# Altium PCB controller_V1.3.PcbDoc (part 5 of 6) (continued)
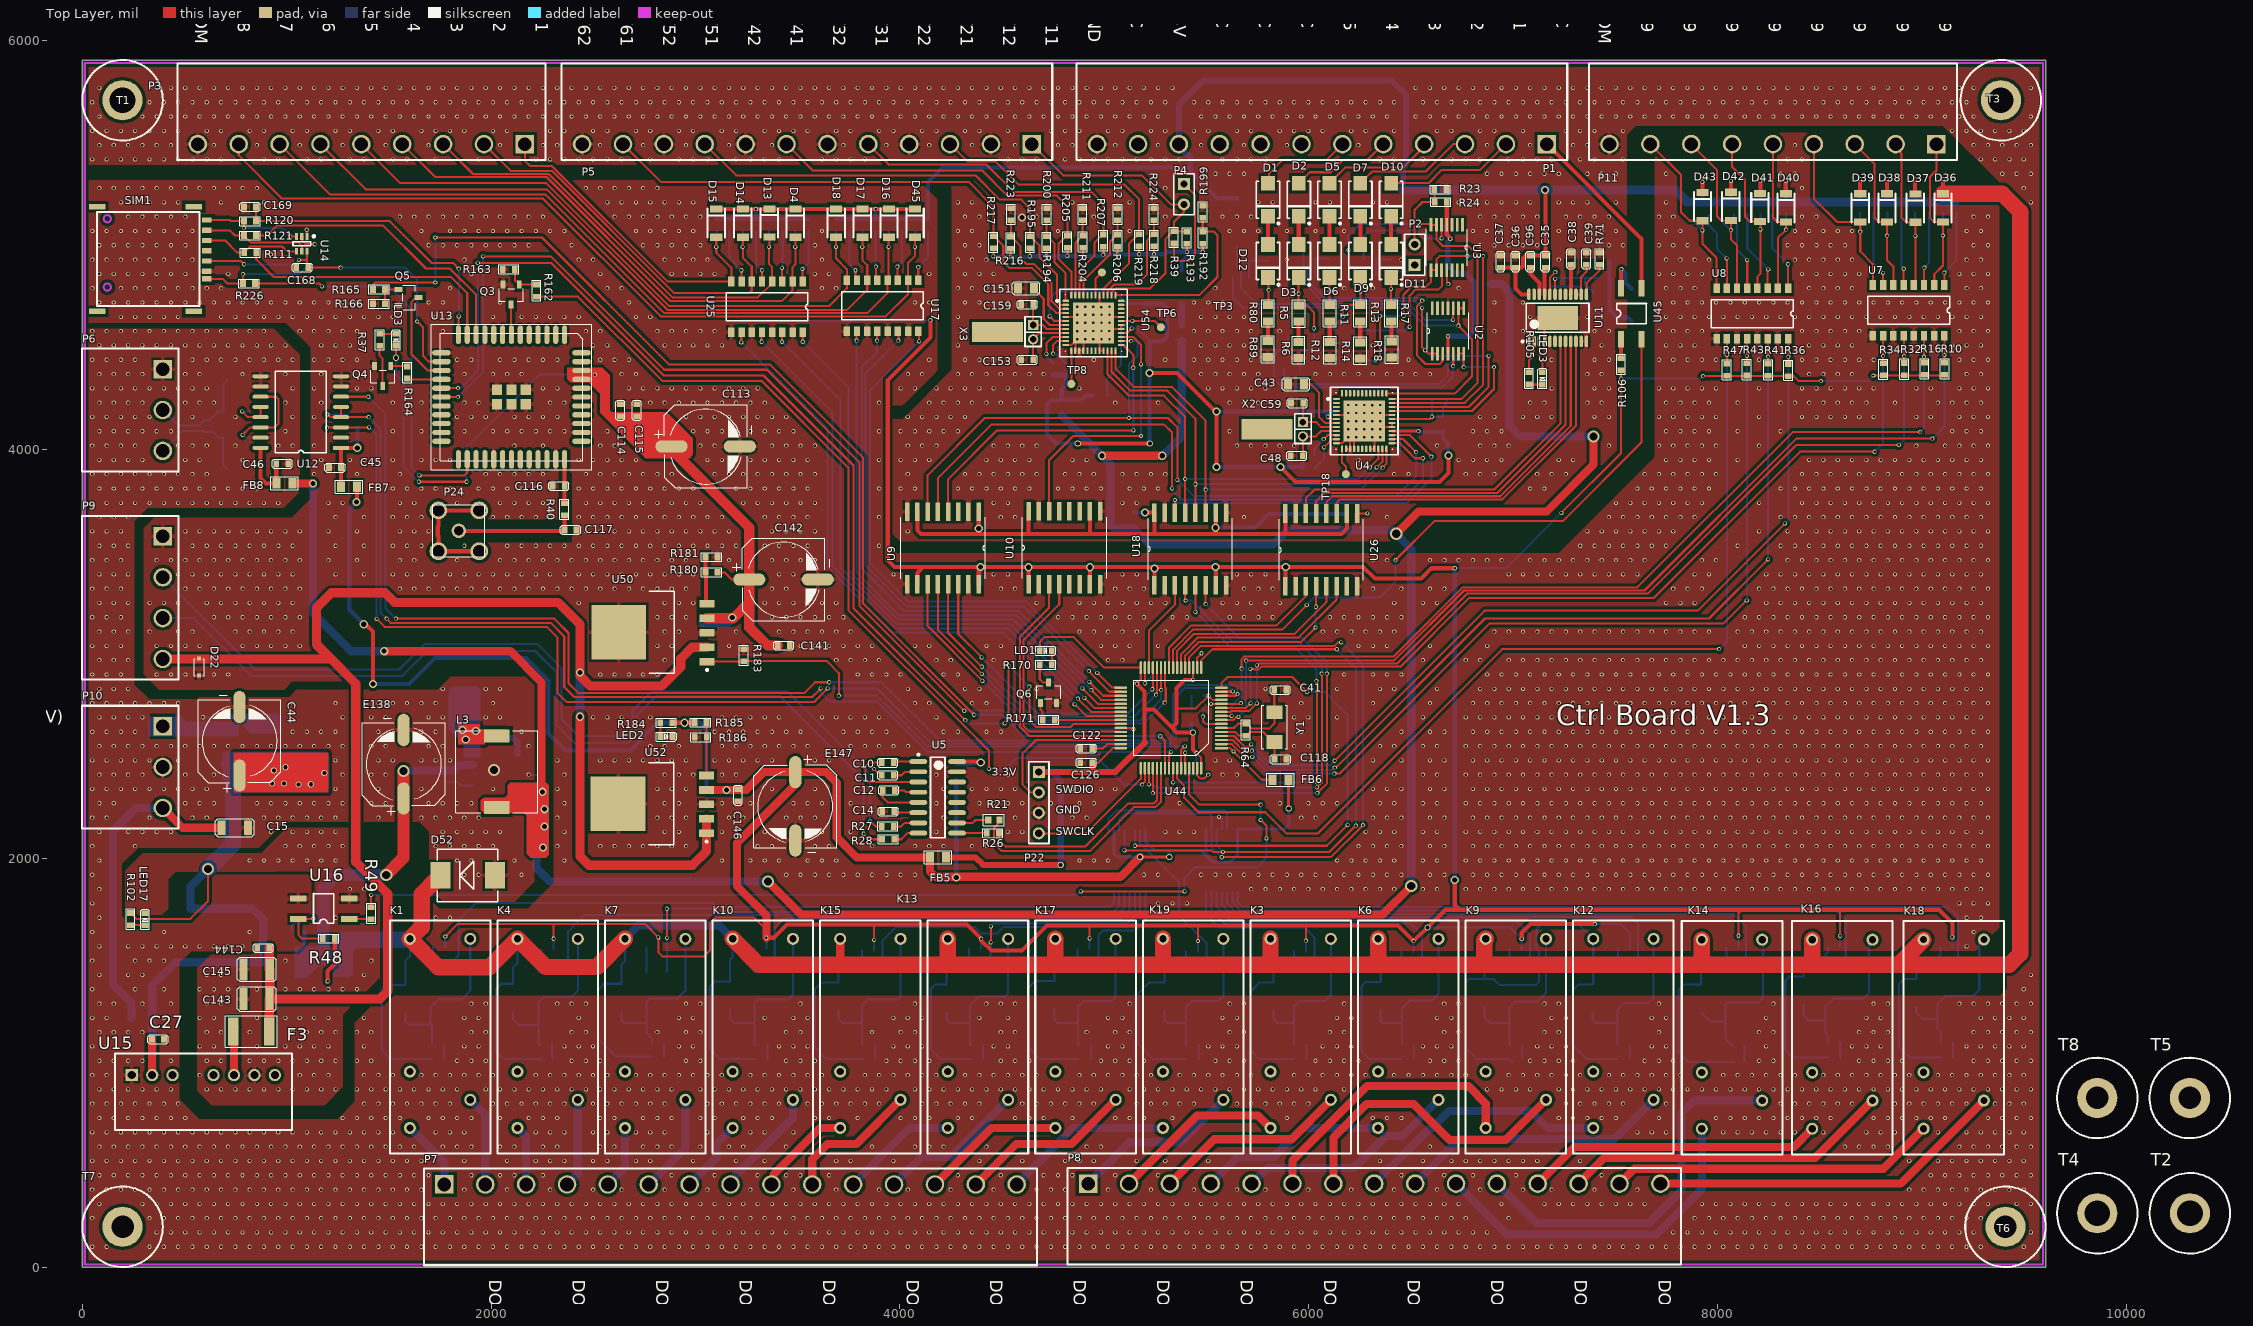
[diagram p0: Top Layer view]
## Nets (pads, with @x,y where several pads share a name; then routed paths per layer and width w, separated by ;. In a path a pad name is that pad's centre, name@x,y a point inside that pad or via, vN(x,y) a via of type N, cw(c..) or ccw(c..) an arc to the next point about the centre after c; other vN are vias at no path point) (continued)
NetP9_2: P9.2 R27.2 | length 4640.1
  Top Layer w10: v1@3854,2183 3881,2156 R27.2@3911.85,2156
  Bottom Layer w10: P9.2@393.86,3375 844.86,2924 1552,2924 1677,3049 2226,3049 2344,2931 2344,2682 2428,2598 2651,2598 2692,2639 2692,2721 2787,2816 3449,2816 3575.88,2689.12 3854,2411 v1(3854,2180) v1@3854,2177.45
NetP9_3: P9.3 R28.2 | length 4642.2
  Top Layer w10: v1@3823,2118 3848,2093 R28.2@3912.8,2093
  Bottom Layer w10: P9.3@393.86,3175 543,3175 826,2892 1566,2892 1688,3014 1915,3014 ; 1942,3014 1915,3014 ; v1(3823,2120) 3823,2383 3412,2794 2808,2794 2710,2696 2710,2604 2670,2564 2410,2564 2320,2654 2320,2909 2215,3014 1915,3014
NetP10_1: P10.1 Q2.1 Q2.2 Q2.5 Q2.6
NetP24_2: P24.2 P24.3 P24.4 P24.5 | length 602.5
  Top Layer w20: P24.4@1942,3502 P24.5@1742,3502 1742,3576.63 1739,3579.63 1739,3623.5 1742,3626.5 P24.2@1742,3702 P24.3@1942,3702
NetQ1_3: Q1.3 R48.1 | length 271
  Top Layer w20: v1(1200.6,1397.4) 1200.6,1448.57 1235.06,1483.03 R48.1@1235.06,1607
  Bottom Layer w20: v1(1200.6,1397.4) Q1.3@1200.6,1444.57
NetQ3_1: Q3.1 R162.2 R163.2 | length 172
  Top Layer w10: R163.2@2116.06,4881 2116.06,4828.54 2122.91,4821.69 2130.78,4821.69 2137.59,4814.87 Q3.1@2137.59,4807 2221.95,4807 R162.2@2222,4807.06
NetQ3_3: Q3.3 U13.7 | length 147.7
  Top Layer w10: Q3.3@2098.22,4708.58 2098.22,4563.18 U13.7@2099.85,4561.55
NetQ4_1: Q4.1 R164.2 | length 81.8
  Top Layer w10: Q4.1@1509.09,4407.89 1588.24,4407.89 R164.2@1590.09,4406.05
NetQ4_3: Q4.3 R37.2 | length 204.5
  Top Layer w10: R37.2@1455.09,4507.94 1455.09,4458.91 1469.72,4444.28 Q4.3@1469.72,4309.46
NetQ5_1: Q5.1 R165.2 R166.2 | length 135.9
  Top Layer w10: R166.2@1481.06,4713.09 R165.2@1481.06,4783.09 Q5.1@1547.01,4783.09
NetQ5_3: Q5.3 U13.15 | length 479
  Top Layer w10: Q5.3@1645.43,4743.72 1638.62,4736.91 1626.91,4736.91 1610,4720 1610,4467 1690.65,4386.35 U13.15@1757.33,4386.35
NetQ6_1: Q6.1 R171.2 | length 87.9
  Top Layer w10: Q6.1@4688.48,2760.58 4688.48,2726.52 4698.85,2716.15 R171.2@4698.85,2677
NetQ6_3: Q6.3 R170.2 | length 121.4
  Top Layer w10: R170.2@4684.51,2946.74 4684.51,2875.49 4701,2859 Q6.3@4727.85,2859
NetR5_1: R5.1 R6.2 | length 99.9
  Top Layer w20: R6.2@5950.48,4526.3 5950.7,4526.52 5950.7,4625.78 R5.1@5950.92,4626
NetR9_1: R9.1 U7.1 | length 379.8
  Top Layer w10: U7.1@9111,4805.03 v1(9111,4865)
  Bottom Layer w10: v1(9111,4865) 9171,4925 R9.1@9171,5160
NetR11_1: R11.1 R12.2 | length 102.5
  Top Layer w20: R11.1@6102.54,4627 6103.51,4626.03 6103.51,4526.27 R12.2@6104.48,4525.3
NetR13_1: R13.1 R14.2 | length 104
  Top Layer w20: R14.2@6252.48,4523.3 6252.82,4523.64 6252.82,4626.66 R13.1@6253.17,4627
NetR15_1: R15.1 U7.3 | length 365.1
  Top Layer w10: U7.3@9011,4805.03 9011,4885.29 9013,4887.29 v1(9013,4890)
  Bottom Layer w10: v1(9013,4890) 9035.57,4912.57 R15.1@9035.57,5160
NetR17_1: R17.1 R18.2 | length 99.1
  Top Layer w20: R17.1@6403.79,4627 6405.13,4625.66 6405.13,4530.38 R18.2@6406.48,4529.04
NetR20_2: R20.2 U4.10 | length 165.3
  Top Layer w10: v1(6074,4051) 6093.1,4070.1 U4.10@6136.34,4070.1
  Bottom Layer w10: R20.2@6028.06,3975 6028.06,4005.06 v1(6074,4051)
NetR21_1: R21.1 U5.10 | length 158.3
  Top Layer w10: U5.10@4279.83,2173 4356,2173 4370,2187 R21.1@4432.35,2187
NetR22_1: R22.1 U44.60 | length 123
  Top Layer w10: U44.60@5395.79,2440.57 v1(5395.79,2516.21)
  Bottom Layer w10: R22.1@5393,2470 5395.79,2472.79 v1(5395.79,2516.21)
NetR25_1: R25.1 R48.2 U16.4 | length 428.4
  Top Layer w10: v1(1131,1704.78) 1129.22,1703 U16.4@1057,1703 1057,1625 1075,1607 R48.2@1176,1607
  Bottom Layer w10: R25.1@1027,1641 1027,1673 1058.78,1704.78 v1(1131,1704.78)
NetR26_1: R26.1 U5.9 | length 146
  Top Layer w10: U5.9@4279.83,2123 R26.1@4425.85,2123
NetR31_1: R31.1 U7.5 | length 360.3
  Top Layer w10: U7.5@8911,4805.03 8911,4883 v1(8912,4884)
  Bottom Layer w10: R31.1@8900.14,5160 8900.14,4895.86 v1(8912,4884)
NetR33_1: R33.1 U7.7 | length 374.1
  Top Layer w10: U7.7@8811,4805.03 v1(8811,4864)
  Bottom Layer w10: R33.1@8764.71,5160 8764.71,4910.29 v1(8811,4864)
NetR35_1: R35.1 U8.1 | length 395.1
  Top Layer w10: U8.1@8346,4789 v1(8346,4906)
  Bottom Layer w10: R35.1@8268.33,5151.94 8268.33,4983.67 v1(8346,4906)
NetR38_1: R38.1 U8.3 | length 406.9
  Top Layer w10: U8.3@8246,4789 8246,4875.29 8249,4878.29 v1(8249,4881)
  Bottom Layer w10: R38.1@8146,5151.94 8146,4984 v1(8249,4881)
NetR42_1: R42.1 U8.5 | length 386.5
  Top Layer w10: v1(8145,4928) 8146,4927 U8.5@8146,4789
  Bottom Layer w10: R42.1@8082,5148.94 8082,5115 8096,5101 8096,4977 v1(8145,4928)
NetR46_1: R46.1 U8.7 | length 396.1
  Top Layer w10: v1(8045.5,4934.88) 8046,4934.38 U8.7@8046,4789
  Bottom Layer w10: R46.1@7956.53,5148 7956.53,5098.14 7997.67,5057 7997.67,4982.71 v1(8045.5,4934.88)
NetR49_1: R49.1 U16.1 | length 107.4
  Top Layer w10: U16.1@1306,1703 1411.94,1703 R49.1@1413,1701.94
NetR71_1: R71.1 U11.13 | length 171.5
  Top Layer w10: U11.13@7359.28,4759.16 7359.28,4813.36 7423.54,4877.61 R71.1@7423.54,4904
NetR73_2: R73.2 U4.11 | length 197.5
  Top Layer w10: v1(6076,4010) 6116.42,4050.42 U4.11@6136.34,4050.42
  Bottom Layer w10: R73.2@6029,3909 6076,3956 v1(6076,4010)
NetR75_2: R75.2 U54.11 | length 193.4
  Top Layer w10: v1(4750,4469) 4750,4512 4768.42,4530.42 U54.11@4811.34,4530.42 U54.11@4811.14,4530.22
  Bottom Layer w10: v1(4750,4469) 4751.91,4467.09 4765.18,4467.09 4809.21,4423.06 R75.2@4812.17,4423.06
NetR80_1: R80.1 R89.2 | length 97.7
  Top Layer w20: R89.2@5799.48,4530.04 5800.39,4530.95 5800.39,4626.09 R80.1@5801.29,4627
NetR81_1: R81.1 U25.1 | length 260.7
  Top Layer w10: v1(3523,4883) 3523,4824.62 U25.1@3525.5,4822.11
  Bottom Layer w10: v1(3523,4883) 3553.61,4913.61 R81.1@3553.61,5069.06
NetR86_1: R86.1 U25.3 | length 248.7
  Top Layer w10: v1(3423,4888) 3423,4824.62 U25.3@3425.5,4822.11
  Bottom Layer w10: v1(3423,4888) 3424.75,4889.75 R86.1@3424.75,5069.06
NetR92_1: R92.1 U25.5 | length 259.6
  Top Layer w10: U25.5@3325.5,4822.11 3326,4822.61 v1(3326,4877)
  Bottom Layer w10: R92.1@3295.89,5069.06 3295.89,4907.11 v1(3326,4877)
NetR96_1: R96.1 U25.7 | length 271.2
  Top Layer w10: v1(3225,4877) 3225,4822.62 U25.7@3225.5,4822.11
  Bottom Layer w10: R96.1@3167.04,5069.06 3167.04,4934.96 v1(3225,4877)
NetR105_1: R105.1 U11.2 | length 162.1
  Top Layer w10: R105.1@7078.46,4377.05 7078.46,4437.46 7103.38,4462.38 U11.2@7103.38,4528.84
NetR106_1: R106.1 U45.1 | length 92.9
  Top Layer w20: R106.1@7528.54,4446.1 U45.1@7528.54,4539
NetR107_1: R107.1 U46.1 | length 127.4
  Bottom Layer w10: U46.1@1703.85,1443 1703.85,1502.08 1716.8,1515.03 R107.1@1716.8,1565
NetR108_1: R108.1 U17.1 | length 262.3
  Top Layer w10: v1(4090,4892) 4090,4827.62 U17.1@4090.5,4827.11
  Bottom Layer w10: v1(4090,4892) 4138.61,4940.61 R108.1@4138.61,5069.06
NetR111_1: R111.1 SIM1.2 U14.4 | length 487.8
  Top Layer w10: SIM1.2@609.02,5022.25 699.75,5022.25 759,4963 R111.1@791.94,4963 791.94,4965.95 800.72,4974.73 803.68,4974.73 821.94,4993 977.17,4993 1000.58,4969.58 U14.4@1048.41,4969.58
NetR113_1: R113.1 U17.3 | length 252.1
  Top Layer w10: v1(3988,4895) 3988,4829.62 U17.3@3990.5,4827.11
  Bottom Layer w10: v1(3988,4895) 4010.04,4917.04 R113.1@4010.04,5069.06
NetR115_1: R115.1 U17.5 | length 245.7
  Top Layer w10: v1(3883,4895) 3883,4834.62 U17.5@3890.5,4827.11
  Bottom Layer w10: R115.1@3881.46,5069.06 3881.46,4896.54 v1(3883,4895)
NetR117_1: R117.1 U17.7 | length 257.5
  Top Layer w10: v1(3783,4877) 3783,4834.61 U17.7@3790.5,4827.11
  Bottom Layer w10: R117.1@3752.89,5069.06 3752.89,4907.11 v1(3783,4877)
NetR120_1: R120.1 SIM1.3 U14.3 | length 492.3
  Top Layer w10: SIM1.3@609.02,5122.25 721.75,5122.25 727,5117 R120.1@790.8,5117 v1(790.8,5083.2) ; v1(1017,5044) 1018.58,5042.42 U14.3@1048.41,5042.42
  Bottom Layer w10: v1(790.8,5083.2) 977.8,5083.2 v1(1017,5044)
NetR121_1: R121.1 SIM1.7 U14.5 | length 524.7
  Top Layer w10: SIM1.7@609.02,5072.25 721.75,5072.25 747,5047 R121.1@790.8,5047 790.8,5044.05 799.58,5035.27 802.53,5035.27 825.8,5012 1058,5012 1074,4996 U14.5@1074,4969.58
NetR124_1: R124.1 U19.1 | length 117.4
  Bottom Layer w10: U19.1@8528,1454.15 8528,1527 8541,1540 R124.1@8541,1566.15
NetR127_1: R127.1 U20.1 | length 117.2
  Bottom Layer w10: U20.1@2231.85,1443 2231.85,1503.85 2246.8,1518.8 R127.1@2246.8,1554
NetR128_1: R128.1 U21.1 | length 107.4
  Bottom Layer w10: U21.1@9078,1463.15 9078,1513 9091,1526 R128.1@9091,1565.15
NetR131_1: R131.1 U23.1 | length 118
  Bottom Layer w10: R131.1@2759.8,1561 2759.85,1560.95 U23.1@2759.85,1443
NetR135_1: R135.1 U29.1 | length 116
  Bottom Layer w10: R135.1@3287.8,1559 3287.8,1443.06 U29.1@3287.85,1443
NetR139_1: R139.1 U31.1 | length 114.1
  Bottom Layer w10: R139.1@4338.8,1555 4338.8,1448.06 U31.1@4343.85,1443
NetR142_1: R142.1 U33.1 | length 105.4
  Bottom Layer w10: R142.1@3814.8,1548 3814.8,1444.06 U33.1@3815.85,1443
NetR147_1: R147.1 U35.1 | length 113.8
  Bottom Layer w10: R147.1@4869.85,1556 4869.85,1445 U35.1@4871.85,1443
NetR150_1: R150.1 U37.1 | length 100.4
  Bottom Layer w10: R150.1@5398.85,1543 5399.85,1542 U37.1@5399.85,1443
NetR152_1: R152.1 U38.1 | length 102
  Bottom Layer w10: U38.1@5927.85,1443 R152.1@5927.85,1545
NetR154_1: R154.1 U39.1 | length 99.4
  Bottom Layer w10: R154.1@6454.85,1542 6454.85,1444 U39.1@6455.85,1443
NetR156_1: R156.1 U40.1 | length 110
  Bottom Layer w10: R156.1@6983.8,1553 6983.8,1443.06 U40.1@6983.85,1443
NetR158_1: R158.1 U41.1 | length 113.4
  Bottom Layer w10: U41.1@7511.85,1443 7512.85,1444 R158.1@7512.85,1556
NetR160_1: R160.1 U42.1 | length 112.4
  Bottom Layer w10: U42.1@8039,1450.15 8044.22,1455.37 R160.1@8044.22,1560.38
NetR164_1: R164.1 U13.16 | length 168.9
  Top Layer w10: R164.1@1590.09,4346.99 1594.03,4343.05 U13.16@1757.33,4343.05
NetR179_1: R179.1 U6.5 | length 135.1
  Bottom Layer w10: R179.1@1783.85,2373.95 1834.05,2373.95 1852,2356 U6.5@1911.49,2356
NetR180_2: R180.2 R181.2 U50.5 | length 239.6
  Top Layer w20: R180.2@3048.94,3399 R181.2@3048.94,3474 ; R180.2@3051.06,3407 3051.06,3250.95 U50.5@3057.07,3244.94
NetR185_2: R185.2 R186.2 U52.5 | length 259.2
  Top Layer w10: R185.2@3054.06,2664 3054.06,2405.48 U52.5@3054.52,2405.02
NetR190_2: R190.2 U54.10 | length 219.9
  Top Layer w10: v1(4717,4468) 4717,4519 4748.1,4550.1 U54.10@4811.34,4550.1
  Bottom Layer w10: v1(4717,4468) 4718.91,4466.09 4718.91,4453.36 4749.21,4423.06 R190.2@4752.17,4423.06 R190.2@4752.5,4423.39
NetTP3_1: TP3.1 U54.42 | length 124.4
  Top Layer w10: U54.42@4957.01,4754.83 4957.01,4834.01 TP3.1@4989,4866
NetTP8_1: TP8.1 U54.13 | length 162.5
  Top Layer w10: TP8.1@4838.9,4320.69 U54.13@4838.9,4483.17
NetTP18_1: TP18.1 U4.13 | length 131.7
  Top Layer w10: U4.13@6163.9,4003.17 6163.9,3935.1 6182.17,3916.83 TP18.1@6182.17,3879
NetU22_14: U22.14 U28.9 | length 738.4
  Bottom Layer w10: U28.9@5021.67,2135 5021.67,2194.67 5061,2234 5586,2234 5601.03,2218.97 U22.14@5601.03,2142.09
PT100_A1: R192.1 R199.2 U54.37 | length 890.4
  Top Layer w10: U54.37@5055.43,4754.83 5464.83,4754.83 5554,4844 5554,5049 5537.16,5065.84 R192.1@5481.95,5065.84 ; R192.1@5479,5065.84 R192.1@5481.95,5065.84 ; R199.2@5481.95,5133.79 R192.1@5481.95,5065.84
PT100_A2: R204.1 R211.2 U54.47 | length 381.5
  Top Layer w10: U54.47@4858.58,4754.83 4858.58,5011.71 4894,5047.13 R211.2@4894,5121.63
PT100_A3: R216.1 R223.2 U54.3 | length 585.5
  Top Layer w10: R216.1@4541.51,5040.58 4544.46,5040.58 4591,4994.05 4591,4934 4617.12,4907.88 4654.65,4907.88 4711,4851.52 4711,4851 4743,4819 4743,4725 4780.1,4687.9 U54.3@4811.34,4687.9 ; R216.1@4543.51,5042.58 R223.2@4543.51,5121.63
PT100_A4: R194.1 R200.2 U54.1 | length 435.4
  Top Layer w10: R200.2@4718.51,5121.63 4718.51,5044.74 R194.1@4717.51,5043.74 4720.46,5043.74 4756,5008.21 4756,4917 4811.34,4861.66 U54.1@4811.34,4727.27
PT100_A5: R206.1 R212.2 U54.45 | length 437.9
  Top Layer w10: U54.45@4897.95,4754.83 4897.95,4824.95 5028,4955 5028,5017.13 5062.56,5051.69 R206.1@5065.51,5051.69 R212.2@5065.51,5121.63
PT100_A6: R218.1 R224.2 U54.39 | length 528.2
  Top Layer w10: U54.39@5016.06,4754.83 5016.26,4755.02 5016.26,4774.26 5049,4807 5160,4807 5210,4857 5210,5023.13 5240.56,5053.69 R218.1@5243.51,5053.69 5242.51,5054.69 R224.2@5242.51,5121.63
PT100_B1: P4.2 P5.1 R39.1 R193.1 U54.38 | length 1642.6
  Top Layer w10: P5.1@4645.67,5494 4798.67,5341 5184,5341 5326,5199 P4.2@5390,5199 ; U54.38@5035.75,4754.83 5035.94,4755.02 5035.94,4768.5 5055.45,4788 5226.13,4788 5299.04,4860.9 5299.04,5027.98 5338,5066.95 R39.1@5340.95,5066.95 ; R193.1@5403.95,5065.84 5402.85,5066.95 R39.1@5340.95,5066.95 ; P4.2@5410,5199 P4.2@5390,5199 ; R39.1@5340.95,5066.95 5340.95,5112.95 5390,5162 P4.2@5390,5199
PT100_B2: P5.7 R205.1 U54.48 | length 1981
  Top Layer w10: P5.7@3445.67,5494 3574.67,5365 4403,5365 4526,5242 4768,5242 4819.51,5190.49 R205.1@4819.51,5045.69 4816.56,5045.69 4776,5005.13 4776,4933 4838.9,4870.1 U54.48@4838.9,4754.83
PT100_B3: P5.11 R217.1 U54.4 | length 2698.7
  Top Layer w10: P5.11@2645.67,5494 2830.67,5309 4337,5309 4457.51,5188.49 R217.1@4457.51,5042.84 4460.47,5042.84 4506,4997.31 4506,4918 4537,4887 4647,4887 4726,4808 4726,4707 4764.79,4668.21 U54.4@4811.34,4668.21
PT100_B4: P5.9 R195.1 U54.2 | length 2283.7
  Top Layer w10: P5.9@3045.67,5494 3198.67,5341 4370,5341 4489,5222 4594,5222 4637,5179 4637,5044.17 R195.1@4636.51,5043.69 4639.46,5043.69 4683,5000.15 4683,4940 4768.84,4854.16 4768.84,4722.49 4783.74,4707.58 U54.2@4811.34,4707.58
PT100_B5: P5.5 R207.1 U54.46 | length 1767.4
  Top Layer w10: P5.5@3845.67,5494 3945.43,5394.24 4422.12,5394.24 4556.35,5260 4936,5260 4995.51,5200.49 R207.1@4995.51,5051.69 4992.56,5051.69 4952,5011.13 4952,4947 4878.27,4873.27 U54.46@4878.27,4754.83
PT100_B6: P5.3 R219.1 U54.40 | length 1580
  Top Layer w10: P5.3@4245.67,5494 4330.43,5409.24 4467.62,5409.24 4580.85,5296 5099,5296 5170.51,5224.49 R219.1@5170.51,5053.69 5167.56,5053.69 5122,5008.13 5122,4912 4996.38,4786.38 U54.40@4996.38,4754.83
PWR_CTRL: R49.2 U44.61 | length 5326.3
  Top Layer w10: R49.2@1413,1761 v1(1413,1821) ; v1(4886,1838) v1(5393,1838) ; U44.61@5415.47,2440.57 5415.47,2311.53 5465,2262 v1(5765,2262) ; v1(5765,2187) 5794,2158 v1(5794,2097)
  Bottom Layer w10: v1(1413,1821) 4869,1821 v1(4886,1838) ; v1(5393,1838) 5393,1905 5444,1956 5748,1956 5794,2002 v1(5794,2097) ; v1(5765,2187) v1(5765,2262)
relay_A1: K1.1 P7.2 | length 444.7
  Bottom Layer w40: K1.1@1898.13,818.21 1971.65,744.68 P7.2@1971.65,404
relay_A2: K4.1 P7.4 | length 436.1
  Bottom Layer w40: P7.4@2371.65,404 2424.46,456.81 K4.1@2424.45,818.21
relay_A3: K7.1 P7.6 | length 488.4
  Bottom Layer w40: P7.6@2771.65,404 2950.8,583.15 K7.1@2950.8,818.21
relay_A4: K10.1 P7.8 | length 540.7
  Bottom Layer w40: P7.8@3171.65,404 3171.65,417.68 3196.27,442.29 3196.27,448.27 3477.14,729.14 K10.1@3477.14,818.21
relay_A5: K13.1 P7.12 | length 729.7
  Bottom Layer w40: P7.12@3971.65,404 4105.65,538 4249.61,538 K13.1@4529.82,818.21
relay_A6: K15.1 P7.10 | length 675.8
  Top Layer w40: P7.10@3571.65,404 3571.65,527.65 3646,602 3787.28,602 K15.1@4003.48,818.21
relay_A7: K17.1 P7.14 | length 856.1
  Top Layer w40: P7.14@4371.65,404 4569.65,602 4839.95,602 K17.1@5056.16,818.21
relay_A8: K19.1 P8.1 | length 831.1
  Bottom Layer w40: P8.1@4921.26,408 5123.26,610 5374.29,610 K19.1@5582.5,818.21
relay_A9: K3.1 P8.3 | length 957.5
  Top Layer w40: P8.3@5321.26,408 5537.95,624.69 5915.31,624.69 K3.1@6108.83,818.21
relay_A10: K6.1 P8.5 | length 1083.8
  Bottom Layer w40: P8.5@5721.26,408 5798.39,485.13 6221.73,485.13 6377.71,641.11 6458.08,641.11 K6.1@6635.17,818.21
relay_A11: K9.1 P8.7 | length 1488.5
  Top Layer w40: P8.7@6121.26,408 6121.26,634.26 6284,797 6514,797 6690,621 6964.31,621 K9.1@7161.51,818.21
relay_A12: K12.1 P8.9 | length 1336.5
  Bottom Layer w40: P8.9@6521.26,408 6739.14,625.88 7495.53,625.88 K12.1@7687.85,818.21
relay_A13: K14.1 P8.11 | length 1847.9
  Bottom Layer w40: P8.11@6921.26,408 7114.26,215 7665,215 7824,374 7824,752.46 7885.75,814.21 K14.1@8219.28,814.21
relay_A14: K16.1 P8.13 | length 1606
  Top Layer w40: P8.13@7321.26,408 7446.26,533 8477.79,533 K16.1@8759,814.21
relay_A15: K18.1 P8.15 | length 1751.2
  Top Layer w40: P8.15@7721.26,408 8897.4,408 K18.1@9304,814.6
relay_B1: K1.3 P7.1 | length 346.3
  Bottom Layer w40: K1.3@1602.85,680.41 1771.65,511.61 P7.1@1771.65,404
relay_B2: K4.3 P7.3 | length 294
  Bottom Layer w40: K4.3@2129.17,680.41 2171.65,637.95 P7.3@2171.65,404
relay_B3: K7.3 P7.5 | length 311.2
  Bottom Layer w40: P7.5@2571.65,404 2655.53,487.87 K7.3@2655.53,680.41
relay_B4: K10.3 P7.7 | length 363.5
  Bottom Layer w40: P7.7@2971.65,404 3101.42,533.76 3101.42,599.96 K10.3@3181.87,680.41
relay_B5: K13.3 P7.11 | length 577.4
  Bottom Layer w40: P7.11@3771.65,404 4048.06,680.41 K13.3@4234.54,680.41
relay_B6: K15.3 P7.9 | length 473.5
  Top Layer w40: P7.9@3371.65,404 3381.33,413.67 3381.33,451.96 3609.78,680.41 K15.3@3708.2,680.41
relay_B7: K17.3 P7.13 | length 703.7
  Top Layer w40: P7.13@4171.65,404 4448.06,680.41 K17.3@4760.88,680.41
relay_B8: K19.3 P7.15 | length 830.1
  Bottom Layer w40: P7.15@4571.65,404 4848.06,680.41 K19.3@5287.22,680.41
relay_B9: K3.3 P8.2 | length 855.3
  Top Layer w40: P8.2@5121.26,408 5454.26,741 5752.97,741 K3.3@5813.56,680.41
relay_B10: K6.3 P8.4 | length 931.5
  Bottom Layer w40: P8.4@5521.26,408 5651.26,538 5828.63,538 5971.04,680.41 K6.3@6339.9,680.41
relay_B11: K9.3 P8.6 | length 1364.1
  Top Layer w40: P8.6@5921.26,408 5921.26,521.26 6285,885 6782,885 6866.24,800.76 K9.3@6866.24,680.41
relay_B12: K12.3 P8.8 | length 1253.4
  Bottom Layer w40: P8.8@6321.26,408 6589.25,675.99 6598.99,675.99 6687,764 7086,764 7169.59,680.41 K12.3@7392.57,680.41
relay_B13: K14.3 P8.10 | length 1692.7
  Bottom Layer w40: P8.10@6721.26,408 6970.26,159 7701,159 7924,382 K14.3@7924,676.41
relay_B14: K16.3 P8.12 | length 1453.6
  Top Layer w40: P8.12@7121.26,408 7300.26,587 8374.31,587 K16.3@8463.72,676.41
relay_B15: K18.3 P8.14 | length 1598.8
  Top Layer w40: P8.14@7521.26,408 7594.26,481 8812.92,481 K18.3@9008.72,676.8
relay_C1: K1.2
relay_C2: K4.2
relay_C3: K7.2
relay_C4: K10.2
relay_C5: K13.2
relay_C6: K15.2
relay_C7: K17.2
relay_C8: K19.2
relay_C9: K3.2
relay_C10: K6.2
relay_C11: K9.2
relay_C12: K12.2
relay_C13: K14.2
relay_C14: K16.2
relay_C15: K18.2
SCLK: U4.22 U18.13 U54.22 | length 2084.9
  Top Layer w10: U54.22@5016.06,4483.17 5016.06,4367.94 5121,4263 5292,4263 5395.85,4159.15 v1(5395.85,3855.5) U18.13@5395.85,3690.9 ; v1(6300,3913) 6341.06,3954.06 U4.22@6341.06,4003.17
  Bottom Layer w10: v1(5395.85,3855.5) 6242.5,3855.5 v1(6300,3913)
SCLK_AO: U11.8 U26.13 | length 1842.3
  Top Layer w10: U26.13@6036.85,3686.87 6036.85,3746.85 6077,3787 6922,3787 7256.92,4121.92 U11.8@7256.92,4528.84
SCLK_AO_MCU: U26.4 U44.21 | length 956.9
  Top Layer w10: U44.21@5395.79,2932.7 5395.79,2991.24 5463.54,3059 5964,3059 v1(6034,3129) ; v1@6034,3229 v1(6035.43,3230.43) 6036.85,3231.85 U26.4@6036.85,3330.87
  Bottom Layer w10: v1(6034,3129) v1@6034,3229
SIM_CLK: C169.1 R120.2 U13.13 | length 1482.6
  Top Layer w10: C169.1@849.95,5187 849.95,5117.1 R120.2@849.85,5117 1505,5117 1709.49,4912.51 1814.49,4912.51 v1(1842,4885) ; U13.13@1840.01,4561.55 1840.01,4646.3 1842,4648.29 v1(1842,4651)
  Bottom Layer w10: v1(1842,4651) v1(1842,4885)
SIM_DATA: R121.2 U13.11 | length 1431.6
  Top Layer w10: R121.2@849.85,5047 904.18,5047 952.18,5095 1472,5095 1681.6,4885.4 1797.38,4885.4 1926.62,4756.16 U13.11@1926.62,4561.55
SIM_PRE: R226.1 SIM1.8 U14.1 | length 773.7
  Top Layer w10: SIM1.8@609.02,4834.85 687.15,4834.85 710,4812 R226.1@785.95,4812 v1(785.95,4857.95) ; v1(1098,5075) 1098.8,5074.2 1098.8,5043.21 U14.1@1099.59,5042.42
  Bottom Layer w10: v1(785.95,4857.95) 1062.13,4857.95 1098,4893.82 v1(1098,5075)
SIM_RST: R111.2 U13.12 | length 1336.9
  Top Layer w10: R111.2@851,4963 851,4930 938,4843 1805,4843 1883.32,4764.68 U13.12@1883.32,4561.55
SIOUT0: D8.2 U45.4 | length 210.2
  Top Layer w20: U45.4@7528.54,4788 7528.54,4880.54 v1(7530,4882)
  Bottom Layer w20: v1(7530,4882) 7549.17,4862.83 7549.17,4815.85 D8.2@7578.54,4786.48
STATUS: R171.1 U44.41 | length 323
  Top Layer w10: R171.1@4757.91,2677 5080.62,2677 U44.41@5080.83,2676.8
SWCLK: P22.4 U44.49 | length 661.9
  Top Layer w10: P22.4@4680,2122 4913,2122 5179.25,2388.25 U44.49@5179.25,2440.57
SWDIO: P22.2 U44.46 | length 756.3
  Top Layer w10: P22.2@4680,2322 4639,2322 4599,2362 4599,2511 4666.37,2578.37 U44.46@5080.83,2578.37
uart_rxd1: U5.12
uart_txd1: U5.11
VBAT: C113.1 C114.2 C115.2 C141.2 C142.1 D69.2 LD3.1 R180.1 U13.42 U13.43 U50.4 | length 3695.8
  Top Layer w10: v4(1535.09,4448.91) LD3.1@1535.09,4506.99 ; v1(1647,3842) v1(1880,3842) ; R180.1@3108,3399 3142,3399 3177,3364 C142.1@3263.68,3364
  Top Layer w50: 2906,4056 2906,3976 3263.68,3618.32 C142.1@3263.68,3364 3263.68,3251.68 ; U50.4@3057.07,3174.07 3186.07,3174.07 3263.68,3251.68 ; C141.2@3402.94,3041 3353,3041 3263.68,3130.32 3263.68,3251.68
  Bottom Layer w10: v4(1535.09,4448.91) 1535.09,4366.91 1571,4331 1571,3918 v1(1647,3842) ; v1(1880,3842) 1880,4010 2236,4366 v1(2508,4366)
  Bottom Layer w50: D69.2@3041,3154 3156,3154 v3(3180,3178)
VBUS: U13.2
VCC_5V: C143.1 C144.1 C145.1 D22.2 F3.2 P9.4 U50.2 U52.1 U52.2 | length 7944.1
  Top Layer w45: P9.4@393.86,2975 394.18,2975.32 1216.68,2975.32 ; F3.2@915,1153 C143.1@915,1311 ; C145.1@915,1456 C144.1@915,1561 ; C143.1@916.95,1311 916.95,1455.95 C145.1@917,1456 ; C143.1@919.77,1311 1456,1311 1494,1349 1494,1826.23 1338,1982.23 1338,2854 1216.68,2975.32 ; v3(2435,2692) 2435,2010 2479,1966 2985,1966 3054.52,2035.52 U52.1@3054.52,2121.55 U52.2@3054.52,2192.42 ; U50.2@3057.07,3032.34 2983.13,3032.34 2927.66,2976.87 2927.66,2935.8 2833.86,2842 2486,2842 2435,2893 v3(2435,2908) 2435,3144 2328,3251 1528.74,3251 1480.74,3299 1219,3299 1145.98,3225.98 1145.98,3046.02 1216.68,2975.32
  Bottom Layer w45: v3(2435,2692) v3(2435,2908)
VCC_5V_ISO: C67.1 C68.1 C162.1 F2.1 FB1.1 FB2.1 FB3.1 FB4.1 FB8.2 L3.2 U6.4 | length 14298
  Top Layer w40: FB8.2@1028.74,3834 v3(1129,3834) ; v3(1477,3013) 2094,3013 2247,2860 v3@2247,2315 ; v5(3355,1886) 3517,1724 6362,1724 v5(6502,1864) ; v3(4988.31,3969.28) v3(5284.05,3969.28) ; v5(6429,3588) 6538,3697 7165,3697 7394,3926 v5(7394,4064)
  Bottom Layer w40: v3(1129,3834) 1129,3199 1315,3013 v3(1477,3013) ; C67.1@2221.85,2083 2221.85,1952.15 2288,1886 v5(3355,1886) ; FB2.1@4792.17,4165.42 5030,3927.58 5030,3629 5047,3612 FB3.1@5146.85,3612 5222.85,3536 5827.85,3536 FB1.1@5896.85,3605 6410,3605 6502,3513 v5(6502,1864) ; v3@5285.66,3967.66 5379,4061 F2.1@5379,4529.26 ; FB4.1@6890,4809 6944,4809 6982,4771 6982,4117 7035,4064 v5(7394,4064)
  other v3: 2254,2052 2261,2155 2261,2240 2252,2325
VEXT: R226.2 U13.24 | length 1951.2
  Top Layer w10: R226.2@845.01,4812 1158,4812 v1(1172,4798) ; v1(1649,3873) 1869,3873 1883.32,3887.32 U13.24@1883.32,3951.32
  Bottom Layer w10: v1(1172,4798) 1499.05,4798 1610,4687.05 1610,3912 v1(1649,3873)
VSIM: C168.2 SIM1.1 U13.14 U14.6 | length 1634.6
  Top Layer w10: SIM1.1@609.02,4922.25 775.75,4922.25 v1(792,4906) ; v1(1060,4928) 1095.09,4928 1099.59,4932.5 ; U14.6@1099.59,4969.58 1099.59,4932.5 ; v1(1264,4890) C168.2@1105,4890 1099.59,4895.41 1099.59,4932.5 ; v1(1638,4626) 1667,4597 1667,4458 1695.34,4429.66 U13.14@1757.33,4429.66
  Bottom Layer w10: v1(792,4906) 1038,4906 v1(1060,4928) ; v1(1264,4890) 1579,4890 1638,4831 v1(1638,4626)
pads on no net: SIM1.0 SIM1.6 T1.1 T2.1 T3.1 T4.1 T5.1 T6.1 T7.1 T8.1 U1.3 U1.5 U2.12 U2.13 U2.14 U3.1 U3.2 U3.3 U3.12 U3.13 U3.14 U4.1 U4.2 U4.3 U4.4 U4.17 U4.18 U4.19 U4.38 U4.39 U4.40 U4.41 U4.42 U4.43 U4.44 U4.45 U4.46 U4.47 U4.48 U6.2 U6.3 U10.5 U10.6 U10.11 U10.12 U11.6 U11.17 U11.18 U11.23 U13.5 U13.6 U13.8 U13.9 U13.19 U13.20 U13.21 U13.22 U13.23 U13.25 U13.26 U13.28 U13.29 U13.30 U13.31 U13.32 U13.33 U13.38 U13.39 U13.44 U13.96 U13.97 U13.98 U15.3 U15.5 U15.8 U22.9 U22.15 U26.7 U44.62 U54.17 U54.18 U54.19 U54.33 U54.34 U54.35 U54.36 U54.43 U54.44 U56.3 U56.5 X2.3 X3.3

## Polygon pours and split planes (outlines as drawn)
AGND on Bottom Layer "AGND_L02_P019" (solid, remove dead copper, pour order 19): -160,4591 936,4591 1064,4463 1064,3794 986,3716 321,3716 255,3650 255,2849 327,2777 525.35,2777 566.1,2736.26 566.1,2715.39 1012.58,2715.39 1012.58,2788.58 1050,2826 1052,2824 1738,2824 1802.95,2888.95 2172.05,2888.95 2211.7,2849.3 2211.7,1883.74 2116.01,1788.05 1765.95,1788.05 1698,1856 1698,2129 1648,2179 991,2179 864,2052 273,2052 194,1973 194,1716.9 214.9,1696 428,1696 433,1701 433,1873 478,1918 1106,1918 1122,1902 1121,1901 1121,1612.66 1054.34,1546 532,1546 474,1488 474,822 572,724 1249,724 1333,808 1333,1196 1463,1326 9384,1326 9419,1361 9419,5268 9103,5584 7600,5584 7554,5538 7556,5536 7556,4044 7061.73,3549.73 4002.27,3549.73 3961,3591 3961,4148 4013,4148 4255,4390 4255,5281.2 4143.2,5393 -203,5393 -192,5404 -192,6272 1330,6272 1702,6644 1792,6554 9595,6554 10070,6079 10070,-167 -384,-167 -111,106 -111,4592
GND on Bottom Layer "GND_L02_P021" (solid, remove dead copper, pour order 21): 46,5316 4091,5316 4183,5224 4183,4384 4014.33,4215.33 3941,4215.33 3941,3536 3985,3492 7224,3492 7693,3961 7693,5427 7816,5550 9093,5550 9378,5265 9378,1661 9265.15,1548.15 1588.15,1548.15 1274,1234 1274,881 1185,792 634,792 563,863 563,1462 629,1528 826,1528 836.26,1538.26 836.26,1574.78 844.13,1582.65 895.83,1582.65 893,1585.49 893,1848 945,1900 945,1935 457,1935 420,1898 420,1754 374.92,1708.92 229.41,1708.92 206,1732.33 206,1936 295,2025 876,2025 1001,2150 1618,2150 1669,2099 1669,1831 1747,1753 2178.64,1753 2306,1880.36 2306,2858 2249,2915 1770,2915 1720,2865 1028,2865 964.5,2801.5 964.5,2770 589,2770 535,2824 376.85,2824 300,2900.85 300,3615 352,3667 1024,3667 1117,3760 1117,4499 995,4621 -75,4621 -92,4638 -92,5220 5,5317 47,5317
GND on Bottom Layer "GND_L02_P003" (solid, remove dead copper, pour order 3): 10294.61,10089.48 10372.61,10167.48 21243.61,10167.48 21243.61,5140.98 21127.11,5024.48 10285.61,5024.48 10082.61,5227.48 10283.61,5428.48 10283.61,10095.48
AGND on Top Layer "AGND_L01_P018" (solid, remove dead copper, pour order 18): -160,4591 936,4591 1064,4463 1064,3794 986,3716 321,3716 255,3650 255,2849 327,2777 564.17,2777 566.1,2775.08 566.1,2664.97 566.1,2788.58 1012.58,2788.58 1050,2826 1052,2824 1738,2824 1802.95,2888.95 2172.05,2888.95 2211.7,2849.3 2211.7,1883.74 2116.01,1788.05 1765.95,1788.05 1698,1856 1698,2129 1648,2179 991,2179 864,2052 273,2052 194,1973 194,1716.9 214.9,1696 428,1696 433,1701 433,1873 478,1918 1106,1918 1122,1902 1121,1901 1121,1612.66 1054.34,1546 532,1546 474,1488 474,822 572,724 1249,724 1333,808 1333,1196 1463,1326 9384,1326 9419,1361 9419,5268 9103,5584 7600,5584 7554,5538 7556,5536 7556,4044 7061.73,3549.73 4002.27,3549.73 3961,3591 3961,4148 4013,4148 4255,4390 4255,5281.2 4143.2,5393 -203,5393 -192,5404 -192,6272 1330,6272 1702,6644 1792,6554 9595,6554 10070,6079 10070,-167 -384,-167 -111,106 -111,4592
GND on Top Layer "GND_L01_P020" (solid, remove dead copper, pour order 20): 46,5316 4091,5316 4183,5224 4183,4384 4014.33,4215.33 3941,4215.33 3941,3536 3985,3492 7224,3492 7693,3961 7693,5427 7816,5550 9093,5550 9378,5265 9378,1661 9265.15,1548.15 1588.15,1548.15 1274,1234 1274,881 1185,792 634,792 563,863 563,1462 629,1528 826,1528 836.26,1538.26 836.26,1574.78 844.13,1582.65 895.83,1582.65 893,1585.49 893,1848 945,1900 945,1935 457,1935 420,1898 420,1754 374.92,1708.92 229.41,1708.92 206,1732.33 206,1936 295,2025 876,2025 1001,2150 1618,2150 1669,2099 1669,1831 1747,1753 2178.64,1753 2306,1880.36 2306,2858 2249,2915 1770,2915 1720,2865 1028,2865 987,2824 535,2824 376.85,2824 300,2900.85 300,3615 352,3667 1024,3667 1117,3760 1117,4499 995,4621 -75,4621 -92,4638 -92,5220 5,5317 47,5317

## Keep-outs
Keep-Out Layer:
  lines w10: 12,12 12,5890 9594,5890 9594,12 12,12